# KiCad board FrontEnd_5G.kicad_pcb (continued)
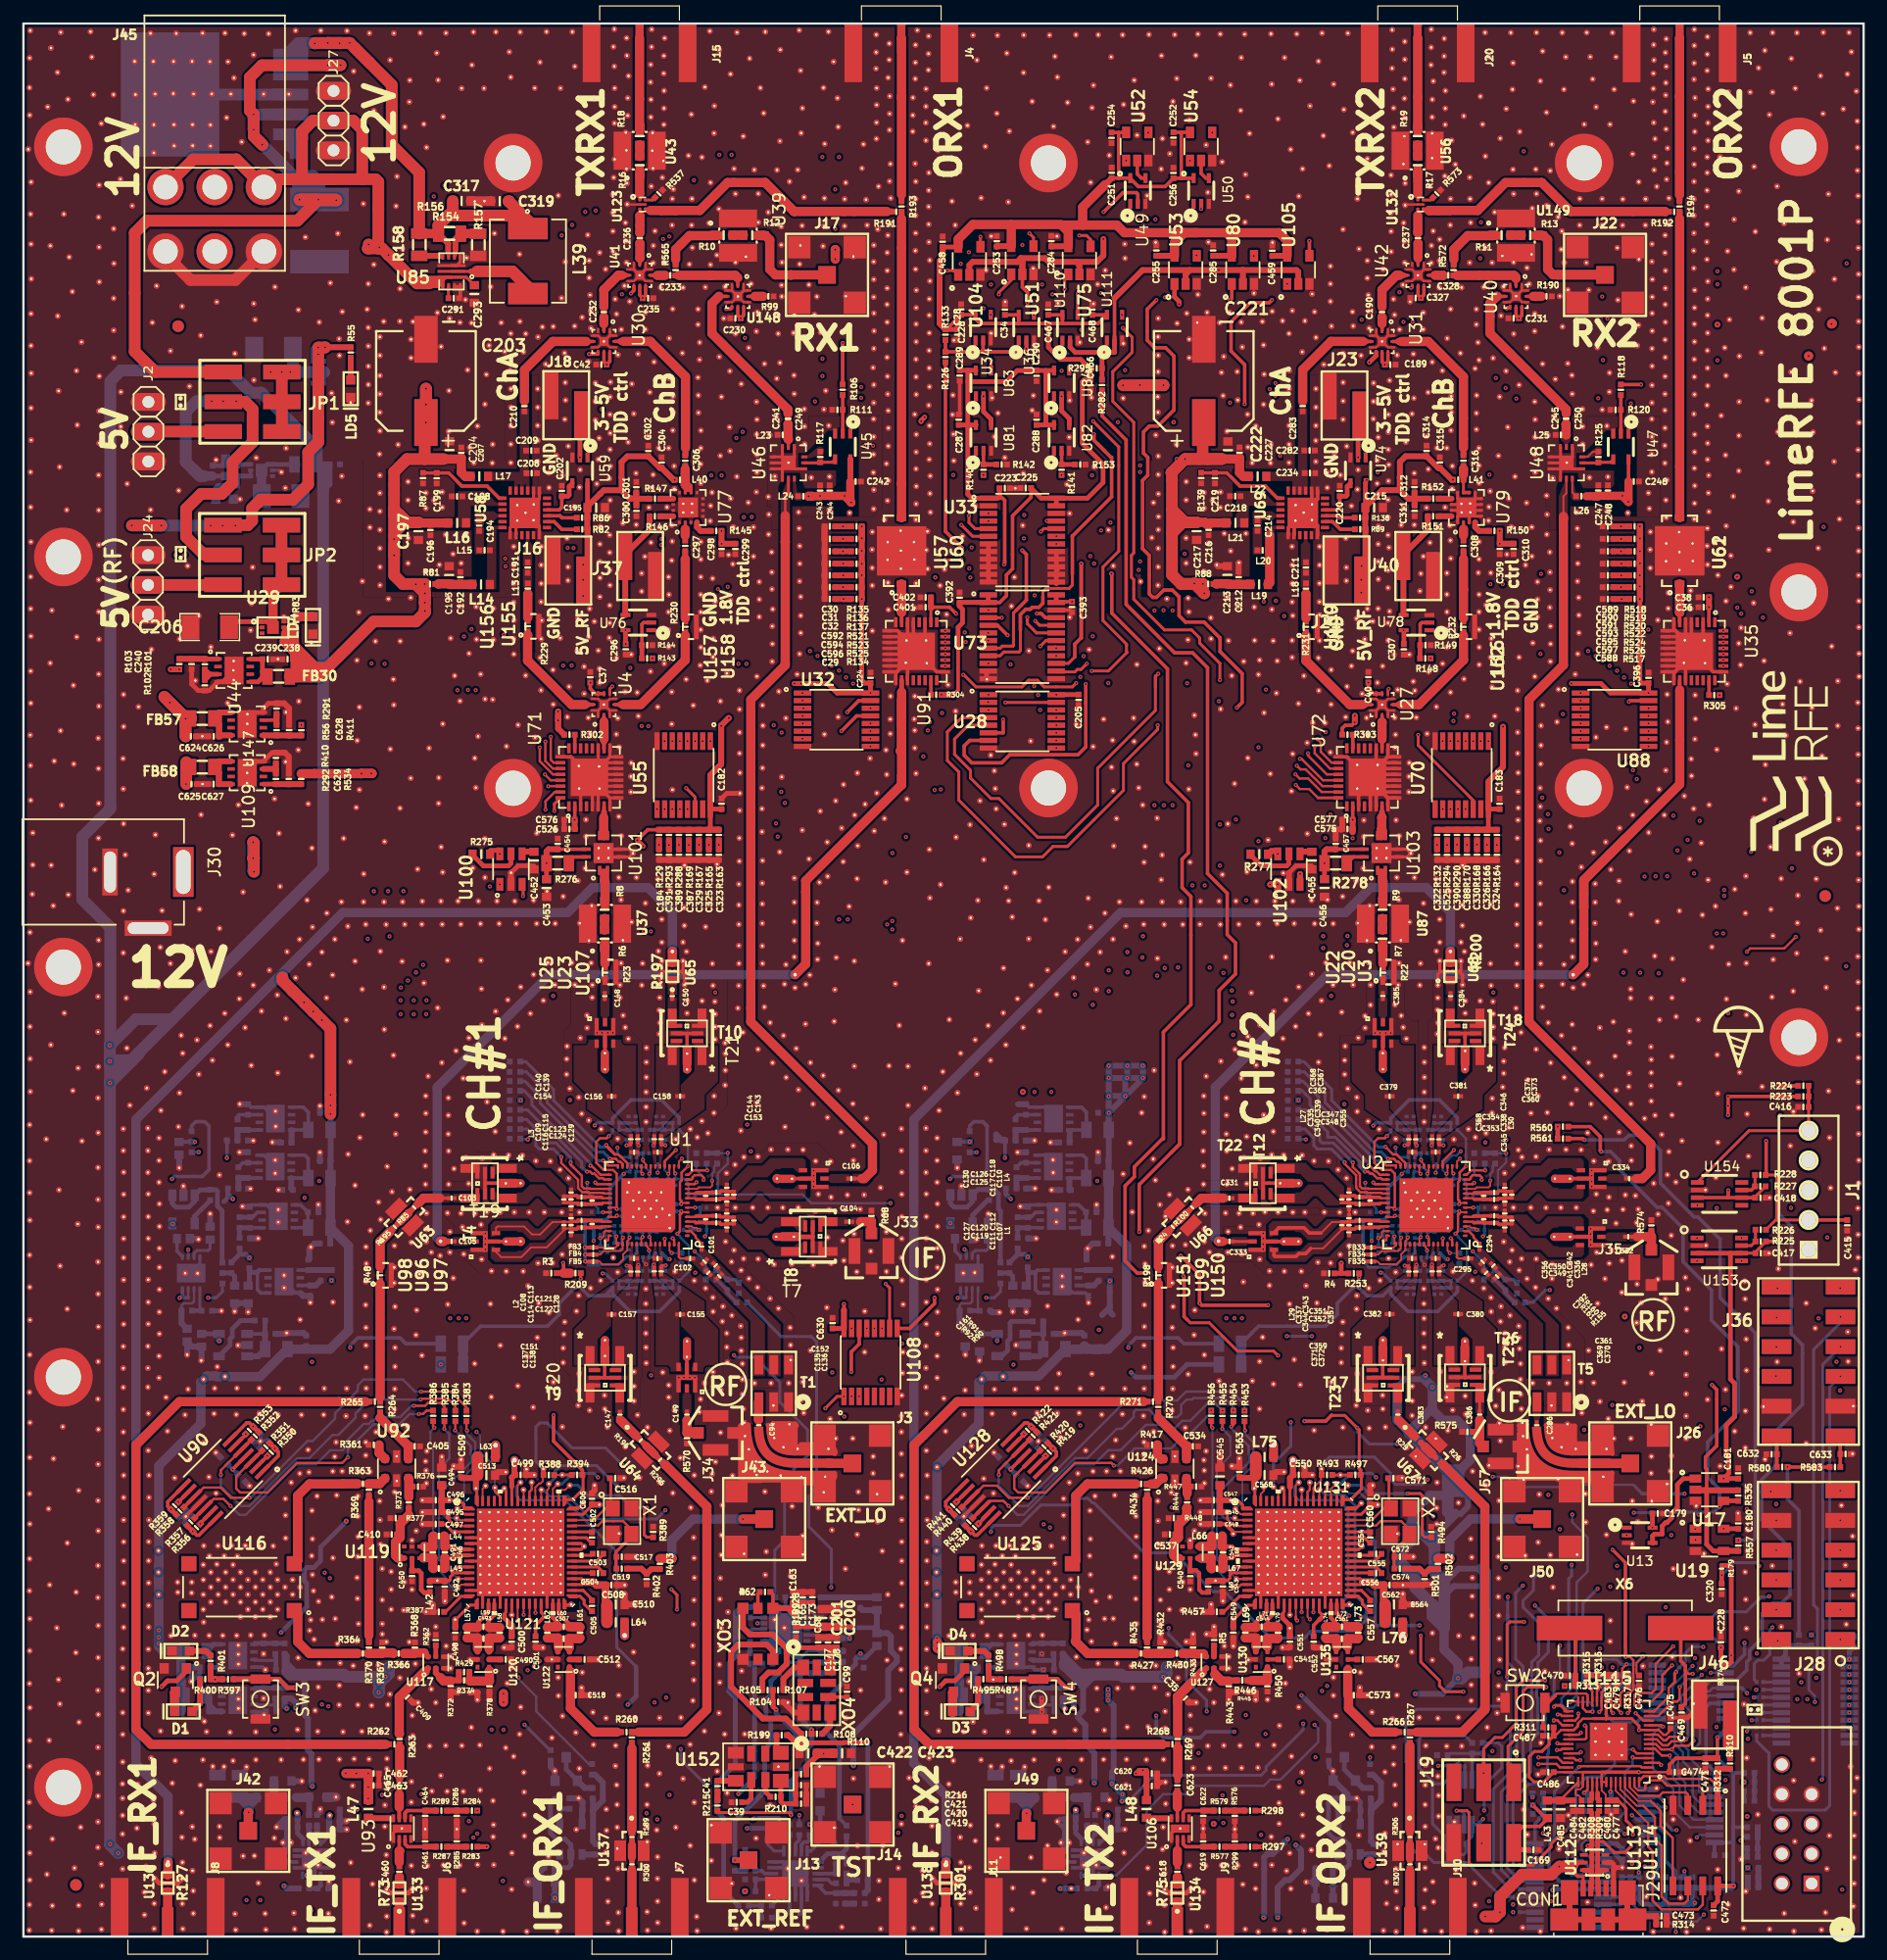
[diagram p0: board, top side]
## Routing (per net, layer and track width the routed paths; a pad name or vN(x,y) marks a point on that pad's centre or on a via; arc(x,y) is an arc through that point) (continued)
  F.FR4 w0.8: v2(95.59,14.19) 95.32,13.92 v2(94.99,13.92) 93.72,13.92 93.44,14.2 v2(89.67,14.2) v2(88.37,14.2) 87.7,14.2 86.15,12.64 81.91,12.64
  F.FR4 w1: v1(95.36,117.36) 95.36,116.75 v1(95.24,116.63) ; 118.32,133.52 118.47,133.67 118.38,133.67 119.66,133.67 120.67,132.66 125.16,132.66 125.51,133.01 125.78,133.01 ; 106.28,132.06 104.44,132.06 104.09,132.41 78.61,132.41 ; 125.78,133.01 125.78,132.95 v1(126.57,132.16) 126.58,132.16 v1(127.48,131.25) ; 125.78,133.01 v1(125.73,133.01) ; 34.37,132.03 38.09,135.75 38.09,135.96 39.66,137.53 39.66,138.47 43.5,142.31 ; 34.37,132.03 34.37,130.72 ; 34.37,132.03 34.16,132.24 34.16,138.5 33.52,139.14 33.52,144.9 35.72,147.1 36.14,147.1 ; 43.5,142.31 46.87,145.68 ; 43.5,142.31 43.96,142.77 ; 47.61,146.42 48.28,146.42 ; 47.61,146.42 46.87,145.68 ; 47.61,146.42 47.61,146.83 v1(47.97,147.19) ; 48.28,146.42 48.84,146.42 ; 48.28,146.42 49.39,147.53 ; 48.84,146.42 48.87,146.42 ; 48.84,146.42 48.84,146.98 49.39,147.53 ; 48.44,148.25 49.15,147.53 49.39,147.53 ; 48.44,148.25 48.44,147.66 v1(47.97,147.19) ; 48.44,148.25 48.03,148.65 ; 48.44,148.25 48.74,148.55 48.74,148.64 ; 35.98,149.43 v1(35.96,149.43) v1(35.04,148.51) ; 35.98,149.43 37.52,149.43 ; 35.98,149.43 35.06,148.51 34.87,148.51 ; 35.98,149.43 35.98,153.76 38.75,156.53 46.62,156.53 48.52,154.63 48.52,152.09 49.39,151.22 49.39,149.59 ; 49.39,149.59 48.82,150.16 47.97,150.16 ; 49.39,149.59 49.39,147.53 ; 37.52,149.43 v1(37.56,149.43) ; 37.52,149.43 37.52,149.37 37.52,152.8 39.66,154.94 45.58,154.94 46.73,153.79 46.73,151.46 ; 46.87,145.68 48.72,147.53 49.39,147.53 ; 34.37,130.72 v1(34.37,130.75) ; 34.37,130.72 v1(34.37,129.21) ; 48.08,147.3 v1(47.97,147.19) ; 48.08,147.3 v1(48.87,147.3) 48.08,147.3 ; 48.08,147.3 v1(47.97,147.19) ; v1(47.97,147.19) 47.65,146.87 ; v1(47.97,147.19) 46.69,145.92 ; 48.03,148.65 48.03,150.16 46.73,151.46 ; 48.03,148.65 46.25,146.87 46.02,146.87 ; 32.11,84.93 34.96,84.93 ; 32.11,84.93 32.03,84.85 31.45,85.43 31.45,85.44 29.69,85.44 v1(29.4,85.15) 29.61,85.36 v1(31.26,85.36) ; 32.11,84.93 32.02,84.93 ; v1(138.05,82.26) 138.03,82.28 136.64,82.28 ; v1(138.05,82.26) 138.04,82.27 v1(136.63,82.27) ; v1(138.05,82.26) 139.59,82.26 v1(139.64,82.21) ; v2(98.59,82.71) 97.51,82.71 v2(97.46,82.66) v2(96.81,82.01) ; v2(89.79,80.4) 90.67,79.52 v2(91.31,79.52) ; 74.68,83 75.02,83 77.21,85.19 ; 47.39,88.9 47.39,88.11 46.49,87.21 46.49,84.11 ; 46.73,151.46 46.91,151.64 ; 34.87,148.51 v1(35.04,148.51) ; 34.87,148.51 34.87,148.36 36.36,146.87 ; 36.36,146.87 43.51,146.87 ; 36.36,146.87 36.14,147.1 ; 47.65,146.87 43.51,146.87 ; 47.65,146.87 v1(46.85,146.07) ; 46.91,151.64 47.36,152.09 48.79,152.09 ; 46.91,151.64 47.84,151.64 48.74,150.74 48.74,148.64 ; 59.32,148.7 59.67,149.05 59.67,151.81 v1(59.42,152.06) ; 64.92,147.01 64.92,148.23 64.55,148.6 ; 72.92,150.49 72.92,151.69 72.7,151.91 ; 83.37,149.82 83.37,151.58 83.27,151.68 ; 86.41,148.24 86.41,147.55 85.78,146.92 ; 32.2,81 32.83,81.64 ; 32.83,81.64 32.83,81.62 32.85,81.61 32.2,80.96 32.39,81.15 ; 32.83,81.64 34.18,82.98 34.18,82.94 v1(33.52,82.28) ; v1(33.52,82.28) 33.52,82.32 v1(34.13,82.93) 34.13,84.1 ; v1(33.52,82.28) v1(32.83,81.59) ; v1(33.52,82.28) v1(32.83,81.59) ; 71.67,82.12 72.21,82.66 72.21,83.03 ; 43.51,146.87 45.15,146.87 ; 48.74,148.64 46.97,146.87 45.15,146.87 ; 45.15,146.87 46.02,146.87 ; 46.02,146.87 46.05,146.87 v1(46.85,146.07) ; v1(46.85,146.07) 46.69,145.92 ; v1(46.85,146.07) v1(45.96,145.18) ; 55.89,151.83 55.54,151.48 55.54,151.84 ; 55.54,151.84 55.54,152.59 55.17,152.96 ; 55.54,151.84 55.54,150.08 ; 32.39,81.15 v1(32.83,81.59) ; 32.39,81.15 32.39,80.77 32.71,80.45 33.36,80.45 ; 33.65,80.45 33.65,80.48 33.62,80.45 33.36,80.45 ; 34.13,84.1 34.96,84.93 ; 34.13,84.1 33.3,84.93 32.02,84.93 ; 34.96,84.93 40.79,84.93 ; v1(45.96,145.18) 45.96,144.77 43.96,142.77 ; v1(45.96,145.18) 46.69,145.92 ; 36.14,147.1 35.04,148.19 v1(35.04,148.51) ; 46.58,141.57 45.16,141.57 43.96,142.77 ; 69.34,143.27 69.37,143.3 69.37,143.97 ; 106.92,132.62 107.02,132.62 ; 106.92,132.62 106.39,132.09 ; 106.92,132.62 106.42,132.12 ; 106.92,132.62 107.09,132.79 ; 106.42,132.12 v1(106.42,132.06) ; 106.42,132.12 v1(106.42,132.06) ; 106.42,132.12 107.09,132.79 ; v1(106.42,132.06) 106.42,131.98 v1(106.9,131.5) 106.9,132.6 107.09,132.79 ; 40.79,84.93 41.44,84.28 41.44,82.66 ; 40.79,84.93 45.67,84.93 ; v1(32.22,80.99) 32.22,80.98 v1(32.83,81.59) ; v1(32.22,80.99) 32.22,80.45 35.89,80.45 ; v1(32.22,80.99) 32.22,79.92 v1(32.21,79.9) ; 32.22,81.12 31.03,82.31 ; 31.03,82.31 31.03,83.3 32.02,84.29 32.02,84.93 ; 31.03,82.31 30.9,82.44 30.25,82.44 29.5,83.19 29.5,85.25 ; 41.44,82.66 41.07,82.28 41.07,81.07 ; 41.44,82.66 41.69,82.9 ; 32.01,118.24 31.6,117.83 v1(31.65,117.88) 31.65,117.85 ; 33.07,115.4 31.65,116.82 31.65,117.85 ; 120.09,22.04 120.09,21.95 v2(118.85,20.71) ; v1(32.21,79.9) v1(33.33,79.9) ; v1(32.21,79.9) v1(32.21,78.72) 33.32,78.72 v1(33.33,78.71) ; v1(32.21,79.9) 32.21,79.83 v1(33.33,78.71) ; 33.36,80.45 33.36,79.93 v1(33.33,79.9) ; v1(33.33,79.9) v1(33.33,78.71) ; 34.42,78.75 v1(34.39,78.72) ; 34.42,78.75 34.38,78.71 33.36,78.71 ; 34.42,78.75 v1(34.42,79.9) ; 35.89,80.45 36.24,80.1 ; 35.89,80.45 34.74,80.45 34.42,80.13 v1(34.42,79.9) ; v1(33.33,78.71) 33.36,78.71 ; 33.36,78.71 33.36,78.84 v1(34.42,79.9) ; 31.65,117.85 v1(31.65,119.26) ; v1(34.28,113.84) v1(34.28,114.63) ; v1(95.36,124.99) v1(95.36,125.55)
  B.FR4 w0.2: 29.68,23.73 29.84,23.57 29.84,22.61
  B.FR4 w0.25: v1(107.11,89.8) 107.12,89.8 ; v1(34.37,129.21) 34.38,129.22 ; 114.24,115.78 v1(114.23,115.78) 114.23,116.94 v1(114.27,116.97) ; 29.68,24.52 29.68,23.73
  B.FR4 w0.3: 105.91,113.94 v1(105.91,113.93) ; 27.58,22.88 27.63,22.93 27.63,23.54 ; 29.84,22.61 29.49,22.26 ; 29.49,22.26 28.83,22.26 ; 29.49,22.26 29.26,22.03 ; 28.83,22.26 28.74,22.26 ; 28.83,22.26 28.83,22.18 ; 29.08,20.92 28.83,21.17 28.83,21.21 ; 29.08,20.92 29.08,21.85 29.26,22.03 ; 29.08,20.92 29.15,20.85 29.15,18.78 29.16,18.8 29.16,18.92 29.16,18.78 ; 28.83,21.21 28.83,22.18 ; 28.83,21.21 28.68,21.06 27.77,21.06 27.77,21.29 ; 28.83,22.18 28.98,22.03 29.26,22.03 ; 106.95,115.73 106.95,114.98
  B.FR4 w0.4: 94.28,43.67 94.29,43.68 ; 94.28,43.67 94.28,39.26 94.03,39.01 94.03,38.65 ; 94.28,43.67 94.28,43.92 94.89,44.53 94.89,47.02 95.57,47.7 96.01,47.7 96.69,48.38 ; 93.18,38.85 91.93,38.85 91.93,42.75 92.73,43.55 92.73,48.66 93.12,49.05 ; 91.62,27.76 92.19,28.33 92.19,29.06 92.05,29.2 92.05,29.67 92.62,30.24 92.62,32.01 ; 91.62,27.76 91.55,27.69 ; 91.62,27.76 91.62,26.24 92.22,25.64 ; 94.03,38 94.03,38.13 94.03,37.95 ; 97.2,52.98 97.2,51.36 97.41,51.15 98.69,51.15 99.04,50.8 99.16,50.8 99.16,48.66 98.61,48.11 98.61,47.32 99.01,46.92 99.01,44.73 98.42,44.14 97.57,44.14 97.37,44.34 97.37,41.57 96.3,40.5 95.91,40.5 95.47,40.06 95.47,38.9 95.29,38.72 ; 27.77,21.29 28.77,22.29 28.77,23.61 29.47,24.31 ; 27.71,24.12 27.63,24.04 27.63,23.54 27.76,23.67 27.76,24.17 ; 27.77,21.94 27.58,22.13 27.58,22.88 27.43,22.73 27.43,22.28
  B.FR4 w0.5: v1(100.72,115.44) 100.71,115.44 100.71,115.43 ; v1(100.72,115.44) 100.02,115.44 v1(99.99,115.47) ; v1(100.72,115.44) 100.83,115.32 v1(100.83,114.63) ; v1(100.83,114.63) 100.83,114.63 100.84,114.65 ; v1(100.83,114.63) v1(99.99,115.47) ; v1(99.99,115.47) 99.99,115.48 ; v1(39.83,89.62) 40.5,89.62 v1(40.68,89.8) ; v1(106.45,89.78) 106.47,89.8 v1(107.11,89.8) ; v1(114.23,115.78) 114.24,115.79 ; v1(55.61,124.32) 55.62,124.32 ; v1(122.07,124.33) 122.07,124.32 122.07,124.33 ; 126.07,119.97 v1(126.06,119.97) 126.07,119.96 ; v1(126.07,118.87) 126.07,118.88 ; 99.2,126.09 v1(99.2,126.09) 98.49,126.09 v1(98.49,126.1) ; 95.36,116.75 v1(95.24,116.63) ; 125.2,139.46 125.2,137.72 126.25,136.67 126.34,136.67 126.34,134.37 125.67,133.7 125.67,133.07 v1(125.73,133.01) ; 125.2,139.46 125.2,139.48 ; 125.2,139.46 125.57,139.83 v1(125.57,140.75) 125.57,141.28 124.43,142.42 ; 124.39,142.46 124.39,142.67 ; 124.39,142.46 124.43,142.42 ; 124.39,142.46 v1(124.39,143.23) ; 124.39,142.46 124.43,142.42 ; v1(124.46,146.3) 124.51,146.25 129.49,146.25 130.06,145.68 v1(130.06,140.96) 130.06,135.94 126.57,132.45 v1(126.57,132.16) ; 129.86,133.14 130.44,133.72 ; 130.44,133.72 130.39,133.67 ; 130.44,133.72 131.04,134.32 131.04,135.05 132.83,136.84 132.83,144.71 ; 132.15,145.39 132.15,147.17 ; 132.15,147.17 132.15,147.16 ; 132.15,147.17 133.16,147.17 133.9,146.43 133.9,145.38 132.83,144.31 ; 128.11,150.53 v1(128.11,152.36) ; 28.87,14.04 28.87,16.04 28.08,16.84 ; 28.08,16.84 27.61,16.37 27.61,14.47 27.51,14.37 27.51,13.92 ; 28.08,16.84 28.07,16.84 28.07,18.78 ; 30.4,13.44 30.4,12.31 v2(30.62,12.09) ; 30.4,13.44 29.92,13.92 ; 30.4,13.44 30.4,14 ; 29.68,18.78 29.68,16.91 30.4,16.19 30.4,14 ; 142.01,64.29 142.01,62.85 141.63,62.47 141.63,59.31 140.43,58.11 140.43,55.83 139.22,54.62 139.22,51.48 v2(137.99,50.25) ; 142.01,64.29 142.01,64.36 ; 142.01,64.29 142.01,64.97 142.75,65.71 142.75,76.54 142.1,77.19 142.1,80.05 139.94,82.21 v1(139.64,82.21) ; 139.86,63.69 138.6,62.43 138.6,58.43 137.03,56.86 137.03,55.49 137.32,55.2 137.32,54.64 136.74,54.06 v2(136.74,52.91) ; 139.86,63.69 139.92,63.75 ; 139.86,63.69 139.98,63.81 139.98,64.52 139.04,65.46 139.04,68.66 139.88,69.5 ; 139.88,69.5 139.9,69.52 ; 139.88,69.5 140.04,69.66 140.04,71.2 139.93,71.31 ; 138.83,77.57 138.7,77.57 138.67,77.54 ; 138.1,79.52 138.1,79.48 138.04,79.54 ; 94.03,37.95 94.03,38.65 ; 94.03,38 93.18,38.85 ; 93.99,24.23 93.99,22.66 93.96,22.63 93.96,21.95 94.08,21.83 94.08,20.11 94.01,20.04 ; 92.19,28.33 92.64,27.88 93.99,27.88 ; 107.3,125.11 107.24,125.17 ; 35.18,17.26 35.38,17.06 35.38,14.96 33.97,13.55 v2(33.97,12.16) ; 29.92,13.92 30.16,13.68 32.06,13.68 32.08,13.7 ; 29.92,13.92 v2(29.45,13.92) ; 30.4,14 30.37,14 30.4,13.97 30.4,13.92 30.47,13.92 ; 30.47,13.92 v2(29.45,13.92) ; 30.47,13.92 30.23,13.68 29.45,13.68 v2(29.45,13.92) ; 32.27,66.85 32.27,66.86 ; 32.27,66.85 32.42,66.85 ; 32.27,66.85 32.27,62.79 ; 33.55,65.72 33.55,64.11 33.76,63.9 33.76,62.8 32.82,61.86 32.72,61.86 ; 33.55,65.72 33.55,65.76 ; 33.55,65.72 32.42,66.85 ; 30.16,63.87 30.16,65.97 ; 30.16,63.87 30.16,65.86 ; 30.16,63.87 31.58,62.45 31.58,60.47 ; 30.16,65.97 31.04,66.85 32.42,66.85 ; 30.16,65.97 30.16,65.86 ; 30.16,65.86 30.08,65.78 23.3,65.78 22.1,66.98 20.7,66.98 20.48,67.2 ; 30.6,47.71 27.51,47.71 27.26,47.96 25.62,47.96 24.99,47.33 24.73,47.33 ; 35.54,120.38 35.25,120.38 35.25,119.44 35.86,118.83 35.86,117.83 36.55,117.14 36.55,116.42 ; 38,116.17 38.13,116.3 38.13,118.32 ; 37.13,122.94 37.13,122.82 37.36,122.82 ; 38.12,123.58 38.09,123.61 ; 137.44,99.4 v1(137.44,99.54)
  B.FR4 w0.79: 29.76,12.09 v2(29.45,11.78) ; 29.76,12.09 v2(30.62,12.09) ; 29.76,12.09 v2(30.62,12.09) ; 29.76,12.09 v2(29.45,11.78) ; v2(29.45,11.78) 29.45,12.31 ; v2(30.62,12.09) 31.86,12.09 ; 31.83,12.09 31.75,12.09 31.86,12.09 ; 100.97,89.71 100.97,104.72 100.39,105.3 100.39,114.19 v1(100.83,114.63) ; 100.97,89.71 100.89,89.63 ; 100.97,89.71 v1(100.87,89.71) ; 99.79,89.67 99.79,89.68 v1(99.82,89.71) v1(100.87,89.71) ; v1(100.87,89.71) 100.87,89.62 101.31,89.18 101.31,82.67 ; 40.68,89.8 v1(40.68,89.8) 40.5,89.62 39.65,89.62 ; v1(33.5,115.4) 33.51,115.41 ; v1(33.5,115.4) 34.25,115.4 v1(34.27,115.43) ; v1(33.5,115.4) v1(34.28,114.63) 34.27,114.63 v1(34.27,115.43) ; v1(34.27,115.43) 34.28,115.43 ; 39.65,89.62 38.01,89.62 37.18,90.45 37.18,91.82 ; 39.65,89.62 v1(39.83,89.62) ; 114.23,114.69 v1(114.24,114.69) ; 114.23,114.69 v1(114.24,114.69) ; 114.23,114.69 v1(114.23,115.78) ; 114.23,114.69 v1(114.23,115.78) ; v1(114.24,114.69) 114.24,114.74 ; 114.24,116.94 v1(114.27,116.97) ; 114.24,116.94 114.24,114.74 ; 114.24,116.94 v1(114.27,116.97) ; 114.24,116.94 114.24,114.74 ; v1(114.27,116.97) 114.27,115.82 v1(114.23,115.78) ; v1(114.27,116.97) 114.27,122.53 114.71,122.97 v1(114.71,124.3) 115.37,124.96 v1(115.64,124.96) ; v1(47.8,115.78) 47.81,115.79 47.81,115.79 ; v1(47.8,115.78) 47.8,114.41 v1(47.8,114.41) ; v1(47.8,115.78) 47.8,117.08 v1(47.8,117.08) ; 59.61,118.87 v1(59.61,118.87) 59.61,118.83 ; 59.6,119.96 v1(59.61,119.96) 59.61,119.93 ; 59.61,119.93 59.61,118.83 ; 59.61,119.93 59.61,124.69 v1(59.62,124.7) v1(58.74,124.7) 58.74,133.05 ; 59.61,118.83 59.57,118.83 59.1,118.36 59.1,117.18 60.14,116.14 v1(60.14,115.19) 59.5,115.19 v1(59.31,115) ; 126.05,124.59 126.06,124.57 v1(126.06,119.97) ; 126.05,124.59 125.16,124.59 125.4,124.59 125.23,124.76 v1(125.19,124.76) 125.88,124.76 126.05,124.59 ; 126.07,118.87 126.07,119.96 ; 126.07,118.87 125.53,118.33 125.53,117.57 126.33,116.77 v1(126.33,115.42) ; 126.07,118.87 v1(126.07,118.87) ; v1(126.33,115.42) 126.46,115.29 126.46,114.09 ; v1(126.33,115.42) 125.37,115.42 ; v1(126.33,115.42) v1(125.27,115.42) 125.37,115.42 ; 26.07,24.12 26.07,23.11 26.9,22.28 27.43,22.28 27.77,21.94 27.77,18.91 27.89,18.78 31.25,18.78 32.04,18 35.18,18 35.31,17.87 35.31,17.78 35.18,17.78 35.18,17.26 ; 26.07,24.12 27.71,24.12 27.76,24.17 ; 26.07,24.12 26.07,24.49 26.05,24.51 26.05,25.43 26.16,25.43 27.41,26.68 27.41,31.41 ; 25.93,37.86 25.93,35.39 27.41,33.91 27.41,31.41 ; 25.93,37.86 25.93,37.74 ; 25.93,37.86 25.93,38.73 25.38,39.28 25.38,42.92 24.73,43.57 24.73,47.33 20.96,51.1 20.96,60.35 20.67,60.64 20.67,62.99 ; 20.67,62.99 20.67,62.85 ; 20.67,62.99 20.67,66.75 20.35,67.07 ; 20.35,67.07 20.44,66.98 ; 20.35,67.07 20.48,67.2 20.48,68.78 ; 20.48,68.78 20.48,69.07 ; 20.48,68.78 20.48,71.97 ; v2(29.93,89.21) 29.93,87.82 30.13,87.62 30.13,85.88 v1(29.4,85.15) ; v2(29.93,89.21) 29.93,89.15 ; v2(29.93,89.21) 31.3,89.21 ; v2(31.14,89.22) 31.13,89.21 31.3,89.21 ; 31.3,89.21 32.44,89.21 v2(32.45,89.22) ; 100.38,43.97 100.38,44.14 100.38,42.73 ; 100.38,42.73 99.35,41.7 99.35,40.42 98.72,39.79 97.74,39.79 97.4,39.45 97.4,38.59 96.87,38.06 96.43,38.06 96.07,37.7 96.07,31.47 95.99,31.39 95.99,24.11 95.69,23.81 95.69,22.07 ; 100.38,42.73 100.38,47.28 101.66,48.56 101.66,56.51 100.08,58.09 100.08,60.06 98.66,61.48 98.66,66.82 ; 95.05,14.73 95.05,13.98 v2(94.99,13.92) ; 95.05,14.73 95.05,15.71 95.13,15.79 95.13,19.05 ; 95.05,14.73 95.59,14.19 v2(95.59,14.19) ; 95.13,19.05 95.13,19.19 ; 95.13,19.05 95.13,19.85 95.69,20.41 95.69,22.07 ; 95.69,22.07 94.03,22.07 ; 126.46,114.09 126.46,114.33 125.37,115.42 ; 126.46,114.09 126.46,104.62 127.02,104.06 127.02,103.88 127.73,103.88 129.13,102.48 130.89,102.48 132.32,101.05 132.35,101.08 135.9,101.08 v1(136.87,100.11) v1(137.44,99.54) ; 132.83,144.71 132.15,145.39 ; 132.15,147.16 129.74,149.57 129.07,149.57 128.11,150.53 v1(128.11,152.36) ; 58.71,133.28 58.74,133.25 58.74,133.05 ; 58.74,133.05 58.74,134.08 58.56,134.26 58.56,137.27 58.66,137.37 58.66,139.16 57.94,139.88 57.5,139.88 57.28,140.1 57.28,141.59 57.79,142.1 57.79,143.69 58.06,143.96 58.06,145.14 58.01,145.09 56.08,145.09 ; 56.08,145.09 v1(55.15,145.09) ; 56.08,145.09 56.22,145.23 56.22,146.63 56.24,146.65 56.24,148.88 v1(57.25,149.89) v1(59.42,152.06) v1(60.47,152.06) 60.51,152.06 ; v1(55.15,145.09) 55.13,145.07 ; v1(55.15,145.09) 54.84,145.09 ; 54.84,145.09 v1(54.62,144.87) 54.84,145.09 ; v1(68.22,151.87) 68.22,150.29 69.32,149.19 v1(69.32,149.11) v1(69.32,145.74) v1(69.32,143.97) 69.32,143.16 v1(69.33,143.16) 71.24,141.24 71.24,133.67 71.53,133.38 71.53,132.25 ; v1(68.22,151.87) 68.28,151.87 ; v1(68.22,151.87) 68.28,151.87 ; 69.67,151.9 v1(69.64,151.87) 68.28,151.87 ; 71.53,132.25 v1(71.53,132.24) ; 71.53,132.25 v1(71.53,131.32) ; 120.44,46.76 120.44,44.47 120.8,44.11 122.18,44.11 122.84,43.45 122.84,42.47 123.48,41.83 123.48,40.53 122.83,39.88 122.83,38.99 124.84,36.98 124.84,23.25 124.12,22.53 123.22,22.53 122.73,22.04 v2(122.49,22.04) ; 120.44,46.76 120.44,46.83 ; 120.44,46.76 v2(120.31,46.89) 119.71,47.49 ; 119.71,47.49 v2(119.71,47.87) 119.71,47.49 ; 139.93,71.31 139.93,76.47 138.1,78.3 138.1,79.48 ; 138.04,79.54 138.04,82.21 ; 94.01,20.45 94.01,20.04 92.78,18.81 92.35,18.81 91.35,17.81 91.35,17.59 89.45,15.69 89.45,14.42 v2(89.67,14.2) ; 94.03,37.95 94.03,34.63 92.56,33.16 92.56,32.07 93.99,30.64 93.99,26.78 94.02,26.75 94.02,26.45 93.73,26.17 ; 94.03,38.65 94.03,38.59 ; 95.3,38.71 95.29,38.72 94.62,38.72 94.03,38.13 ; 101.31,76.23 101.31,82.68 101.31,82.67 ; 101.31,82.67 101.32,82.67 101.22,82.77 v1(101.29,82.7) 101.75,82.24 v1(102.47,82.24) 102.04,82.67 101.31,82.67 ; 137.44,99.1 137.44,99.49 137.44,99.1 ; 137.44,99.1 137.8,98.74 v1(137.76,98.78) ; 137.44,99.1 v1(137.76,98.78) ; v1(137.76,98.78) 137.78,98.76 ; 93.99,24.23 94.09,24.33 94.09,25.81 93.73,26.17 ; 93.73,26.17 93.68,26.11 92.69,26.11 92.22,25.64 92.22,24.97 92.09,24.84 ; 94.03,22.07 93.96,22 93.96,21.95 ; 94.03,22.07 92.87,22.07 92.61,22.33 90.73,22.33 ; 90.73,22.33 90.73,23.48 92.09,24.84 ; 90.73,22.33 90.73,18.85 90.43,18.55 89.4,18.55 88.95,18.1 88.91,18.1 88.91,16.96 87.65,15.7 87.39,15.7 87.39,14.22 87.36,14.2 v2(88.37,14.2) ; 92.09,24.84 92.77,24.16 93.99,24.16 ; 129.86,133.14 130.01,133.29 129.86,133.14 ; 129.86,133.14 127.92,131.2 127.92,130.82 ; 129.86,133.14 131.04,134.32 131.04,135.05 132.83,136.84 132.83,140.86 132.56,141.13 132.56,143.51 132.83,143.78 132.83,144.65 ; 107.3,127.63 107.3,126.79 107.29,126.78 107.29,125.22 107.24,125.17 107.24,124.57 107.47,124.34 107.47,119.71 106.95,119.19 v1(106.95,114) ; 107.3,127.63 v1(107.3,126.38) ; 107.3,127.63 107.3,127.96 106.62,128.64 106.62,129.79 106.9,130.07 v1(106.9,131.5) 106.9,131.58 v1(106.42,132.06) ; 107.3,127.63 v1(107.3,126.38) ; 106.95,114.98 105.91,113.94 ; v1(107.3,126.38) 107.3,125.11 ; 29.45,12.31 29.45,13.46 28.87,14.04 28.99,13.92 v2(29.45,13.92) ; 29.45,12.31 v2(29.45,12.76) v2(29.45,13.92) ; 31.86,12.09 31.92,12.09 32.09,12.26 33.97,12.26 ; v2(29.45,13.92) v2(28.43,13.92) 27.51,13.92 v2(27.53,13.92) ; 27.41,31.41 27.51,31.51 29.47,31.51 29.49,31.53 29.47,31.53 ; 35.48,105.83 35.48,105.56 ; 37.14,103.9 37.22,103.82 ; 36.53,118.78 36.04,118.78 35.67,118.41 ; 36.53,118.78 36.95,119.2 36.95,120.71 ; 36.53,118.78 37.67,118.78 38.13,118.32 ; 35.67,118.41 35.14,117.88 33.68,117.88 33.31,118.25 31.65,118.25 ; 35.67,118.41 35.86,118.6
  B.FR4 w1: 95.36,116.75 v1(95.36,117.36) v1(95.36,124.99) v1(95.36,125.55) 95.36,131.19 ; v1(31.65,117.88) 31.65,117.88 ; v1(31.65,117.88) 31.65,116.57 32.82,115.4 v1(33.5,115.4) ; v1(31.65,117.88) v1(31.65,119.26) 31.65,120.72 ; 95.36,132.39 v1(95.34,132.41) ; 95.36,132.39 v1(95.34,132.41) ; 95.36,132.39 95.26,132.39 ; 95.36,132.39 95.36,131.19 ; v1(95.34,132.41) 94.46,132.41 ; v1(93.9,132.39) 93.92,132.41 94.46,132.41 ; 127.92,129.16 127.92,126.68 126.05,124.81 126.05,124.59 ; 127.92,129.16 127.92,129.18 ; 127.92,129.16 127.92,130.82 v1(127.48,131.25) ; v1(127.48,131.25) v1(125.73,133.01) 125.73,133 v1(126.57,132.16) 126.58,132.16 v1(127.48,131.25) ; 34.37,130.61 v1(34.37,130.75) 32.39,130.75 ; 34.37,130.61 34.37,131.8 ; 34.37,130.61 v1(34.37,129.21) 33.02,127.86 ; 33.86,146.57 33.86,140.7 34.37,140.19 34.37,131.8 ; 33.86,146.57 33.9,146.61 ; 33.86,146.57 33.86,147.33 v1(35.04,148.51) ; v1(35.04,148.51) v1(35.96,149.43) ; v1(35.04,148.51) v1(35.96,149.43) ; 36.02,149.43 v1(37.56,149.43) ; 36.02,149.43 v1(35.96,149.43) ; 36.02,149.43 v1(35.96,149.43) ; v1(37.56,149.43) v1(35.96,149.43) ; v1(37.56,149.43) v1(35.96,149.43) ; 95.26,132.39 96.35,132.39 ; 95.26,132.39 95.26,133.19 ; 94.46,132.41 94.48,132.41 ; 94.48,132.41 95.26,133.19 ; 94.48,132.41 95.36,131.53 95.36,131.4 ; 95.26,133.19 v1(95.26,146.49) 95.26,146.47 95.34,146.55 v1(95.93,146.55) v1(96.65,146.55) 96.56,146.55 ; 95.26,133.19 96.06,132.39 ; 96.35,132.39 96.06,132.39 ; 96.35,132.39 v1(97.36,132.39) ; 96.06,132.39 95.36,131.69 95.36,131.4 ; 95.36,131.19 95.36,131.4 ; 34.37,131.8 v1(34.37,132.1) ; 37.95,135.68 34.37,132.09 v1(34.37,132.1) ; 37.95,135.68 39.09,134.54 39.82,134.54 40.54,133.82 40.54,132.71 39.93,132.1 38.76,132.1 37.52,130.86 37.52,127.93 36.79,127.2 36.79,126.34 ; 37.95,135.68 39.38,137.1 39.38,138.6 43.56,142.78 ; 43.56,142.78 v1(45.96,145.18) v1(46.85,146.07) v1(47.97,147.19) ; 43.56,142.78 v1(47.97,147.19) ; 48.89,147.3 v1(48.87,147.3) 48.08,147.3 v1(47.97,147.19) ; v1(34.37,132.1) 32.6,132.1 32.39,131.89 32.39,130.75 ; v1(140.36,90.49) v1(139.37,90.49) 138.46,90.49 v1(138.43,90.46) 138.43,86.9 138.05,86.52 138.05,82.21 ; 138.05,82.21 v1(138.05,82.26) 136.71,82.26 136.66,82.21 ; 138.05,82.21 138.04,82.21 ; 139.66,82.25 139.62,82.21 v1(139.64,82.21) 138.04,82.21 ; 138.04,82.21 136.66,82.21 ; v1(136.63,82.27) 136.69,82.21 136.66,82.21 ; 33.02,127.86 33.02,125.96 31.65,124.59 31.65,120.72 ; 33.02,127.86 33.02,128.3 ; 32.39,130.75 33.02,130.12 33.02,128.3 ; 33.02,128.3 34.97,126.34 36.79,126.34 ; v1(31.26,85.36) 29.61,85.36 29.54,85.29 ; v1(31.26,85.36) 31.28,85.36 ; v1(31.26,85.36) 31.69,84.93 34.18,84.93 34.18,82.98 ; 34.18,82.98 34.18,82.94 v1(33.52,82.28) ; 34.18,82.98 v1(34.13,82.93) ; v1(33.52,82.28) 32.56,81.32 ; v1(33.52,82.28) 32.75,81.51 ; v1(33.52,82.28) 34.13,82.89 ; v1(33.52,82.28) 33.52,82.31 ; v1(33.52,82.28) 34.13,82.89 ; v1(33.52,82.28) v1(32.83,81.59) ; v1(33.52,82.28) 33.52,82.31 ; v1(33.52,82.28) v1(32.83,81.59) ; 20.48,71.97 23.21,71.97 29.44,78.21 ; 96.95,56.91 96.95,48.64 96.69,48.38 ; 96.95,56.91 96.95,57.27 96.98,57.3 ; 96.95,56.91 96.95,60.79 ; v2(91.31,79.52) 91.31,68.84 92.8,67.35 92.8,64.01 93.54,63.27 93.54,60.68 94.21,60.01 94.21,52.21 92.98,50.98 92.98,49.03 93.04,48.97 ; v2(91.31,79.52) 91.33,79.52 ; v2(91.31,79.52) 91.33,79.52 ; 96.95,60.79 96.65,61.09 ; 96.95,60.79 95.57,62.17 95.57,64.19 95.09,64.67 95.09,66.52 95.68,67.11 95.68,68.48 97.59,70.39 97.59,74.6 ; 97.59,74.6 97.59,74.62 ; 97.59,74.6 98.59,75.6 v2(98.59,82.71) ; 101.31,76.23 99.69,74.61 99.69,70.04 99.63,69.98 99.63,67.79 98.66,66.82 ; v2(98.59,82.71) 97.51,82.71 v2(97.46,82.66) ; v2(98.59,82.71) 98.58,82.7 ; v2(98.59,82.71) 98.58,82.7 ; v2(97.46,82.66) 98.54,82.66 98.58,82.7 ; v2(97.46,82.66) v2(96.81,82.01) ; v2(97.46,82.66) 97.43,82.63 ; v2(97.46,82.66) 97.43,82.63 ; 96.75,81.89 96.75,81.95 v2(96.81,82.01) ; 97.43,82.63 v2(96.81,82.01) ; v2(89.79,80.4) 90.67,79.52 91.33,79.52 ; 31.33,90.62 29.44,92.51 29.44,94.22 30.89,95.67 30.89,97.42 31.54,98.07 31.54,99.15 32.91,100.52 32.91,102.65 33.68,103.42 33.68,111.82 34.28,112.42 v1(34.28,113.13) ; 31.33,90.62 33.62,92.91 34.62,91.91 37.09,91.91 37.18,91.82 37.18,93.7 36.55,94.33 36.55,100.29 37.14,100.88 37.14,103.9 35.48,105.56 ; 31.33,90.62 v2(29.93,89.21) ; 32.2,80.96 31.54,80.3 ; 32.2,80.96 32.85,81.61 v1(32.83,81.59) ; 32.2,80.96 v1(32.22,80.99) ; 32.2,80.96 32.63,81.39 ; 31.54,80.3 31.94,79.9 v1(32.21,79.9) ; 31.54,80.3 31.05,79.81 ; v1(32.83,81.59) 32.63,81.39 ; v1(32.83,81.59) 32.56,81.32 ; v1(32.83,81.59) 32.75,81.51 ; v1(32.83,81.59) v1(32.22,80.99) ; v1(32.83,81.59) 32.75,81.51 ; v1(32.83,81.59) v1(32.22,80.99) ; v1(32.83,81.59) 33.33,81.08 v1(33.33,79.9) ; v1(32.83,81.59) 32.81,81.57 ; 32.56,81.32 32.81,81.57 ; 32.81,81.57 32.63,81.39 ; v1(34.13,82.93) 33.52,82.32 33.52,82.31 ; v1(34.13,82.93) 34.13,82.99 ; v1(34.13,82.93) 34.13,82.99 ; 34.13,82.89 34.13,82.99 ; 34.13,82.89 34.13,82.99 ; v1(32.22,80.99) 33.31,79.9 v1(33.33,79.9) ; 93.18,38.85 93.21,38.81 95.39,38.81 ; 106.9,132.56 v1(106.9,132.58) v1(106.9,131.5) ; 106.9,132.56 v1(106.9,131.5) ; 106.9,132.56 106.42,132.08 v1(106.42,132.06) 106.9,131.58 v1(106.9,131.5) ; 31.65,120.72 35.2,120.72 35.54,120.38 36.41,121.25 ; 32.08,15.61 33.61,14.09 34.5,14.09 ; 32.08,15.61 32.08,15.67 32.02,15.67 31.88,15.81 31.88,18.16 ; 32.08,15.61 31.5,16.19 28.72,16.19 28.08,16.84 ; 32.08,15.61 32.08,12.25 31.92,12.09 ; 30.7,39.06 29.47,37.83 29.47,38.18 ; 30.7,39.06 30.27,38.63 27.96,38.63 ; 30.7,39.06 30.7,41.58 31.45,42.33 31.45,43.57 30.6,44.42 30.6,59.49 32.72,61.61 32.72,62.34 32.27,62.79 ; v1(33.33,78.71) 33.33,70.16 33.22,70.05 33.22,67.88 32.19,66.85 ; v1(33.33,78.71) 33.33,78.33 33.66,78.66 ; v1(33.33,78.71) 33.34,78.72 v1(34.39,78.72) ; v1(33.33,78.71) 33.32,78.72 v1(32.21,78.72) ; v1(34.39,78.72) 34.38,78.72 33.72,79.38 32.87,79.38 v1(32.21,78.72) ; v1(34.39,78.72) 34.39,79.87 v1(34.42,79.9) v1(33.33,79.9) ; v1(32.21,78.72) 32.14,78.72 31.05,79.81 ; v1(32.21,78.72) 30.86,78.72 30.41,79.17 ; v1(32.21,78.72) 29.96,78.72 29.95,78.73 29.95,78.71 ; v1(32.21,78.72) v1(32.21,79.9) ; 30.41,79.17 29.95,78.71 ; 30.41,79.17 31.05,79.81 ; 29.95,78.71 29.44,78.21 ; 29.44,78.21 27.53,80.12 27.53,82.62 27.2,82.95 27.2,83.88 28.02,84.7 28.95,84.7 29.54,85.29 ; v1(33.33,79.9) v1(32.21,79.9) ; 29.54,85.29 v1(29.4,85.15) ; 27.76,24.17 29.33,24.17 29.68,24.52 29.47,24.31 29.47,38.18 ; 29.47,38.18 29.81,38.18 29.36,38.63 27.96,38.63 ; 27.96,38.63 25.93,38.63 ; 35.48,105.83 35.48,111.39 34.87,112 ; 34.28,113.21 34.28,112.59 34.87,112 ; 34.28,113.21 v1(34.28,113.84) v1(34.28,114.63) ; 34.28,113.21 v1(34.28,113.13) ; 34.28,113.21 v1(34.28,113.13) ; 34.87,112 34.87,115.23 35.24,115.6 35.74,115.6 36.31,116.17 ; 36.31,116.17 36.56,116.42 ; 36.31,116.17 38,116.17 ; 36.41,121.25 37.13,121.97 37.13,122.82 ; 36.41,121.25 36.95,120.71 ; 38.13,118.32 38.98,119.17 38.98,122.72 38.12,123.58 ; 38.12,123.58 37.36,122.82 ; 38.12,123.58 38.12,123.7 36.79,125.03 36.79,126.34 ; v1(100.87,89.71) v1(99.82,89.71)
  B2.RO w0.4: 121.66,36.32 121.65,36.31 121.65,36.24 ; 120.49,34.18 120.56,34.18
  B2.RO w0.5: 120.56,34.18 121.65,35.27 ; 121.65,35.27 121.65,36.24 122.3,36.24 122.46,36.08 ; 121.65,35.27 122.46,36.08 ; 117.29,46.88 117.98,47.57 119.41,47.57 v2(119.71,47.87) 119.71,47.49 ; 120.31,45.03 118.54,43.26 ; 122.46,36.08 122.74,36.08 123.35,36.69 123.35,37.51 122.95,37.91 ; 121.33,29.09 122.15,29.91 124.83,29.91 ; 121.33,30.18 122.55,31.4 124.49,31.4 124.83,31.06 ; v2(118.85,20.71) 121.16,20.71 v2(122.49,22.04)
  B2.RO w0.79: 117.29,46.88 117.29,44.05 118.34,43 ; 119.71,47.49 v2(120.31,46.89) 120.31,45.03 120.23,45.03 ; 121.63,37.65 120.09,37.65 118.57,36.13 118.57,35.18 120.49,33.26 120.49,33.13 ; 121.63,37.65 122.65,38.67 122.65,38.96 ; 121.63,37.65 121.63,38.21 ; 121.63,37.65 121.89,37.91 122.95,37.91 122.95,38.39 122.38,38.96 ; 120.23,45.03 118.7,43.5 118.7,43.42 ; 120.23,45.03 121.2,44.06 122.39,44.06 123.55,42.9 123.55,40.69 122.65,39.79 ; 122.65,39.79 121.63,38.77 121.63,38.21 ; 122.65,39.79 122.65,38.96 ; 122.65,38.96 122.38,38.96 ; 122.38,38.96 121.63,38.21 ; 121.31,27.27 121.31,24.5 122.49,23.32 v2(122.49,22.04)
  B2.RO w1: 118.54,43.26 118.34,43.06 118.34,43 121.63,39.71 121.63,39.87 ; 120.49,34.18 120.49,31.18 121.33,30.34 121.33,27.29 121.31,27.27 ; 121.63,39.87 121.63,36.26 121.65,36.24 ; 121.63,39.87 121.71,39.79 122.65,39.79 ; 120.31,28.31 118.85,29.77 118.85,30.63 117.4,32.08 117.4,32.76 118.48,33.84 118.48,35.05 118.59,35.16 ; 120.31,28.31 120.31,27.37 121.31,26.37 121.31,27.31 120.31,28.31 ; 124.53,31.36 124.83,31.06 124.83,22.71 124.66,22.54 123.32,22.54 122.82,22.04 v2(122.49,22.04)
